# Allegro board HY_UART_DBUG_V10B.brd (continued)
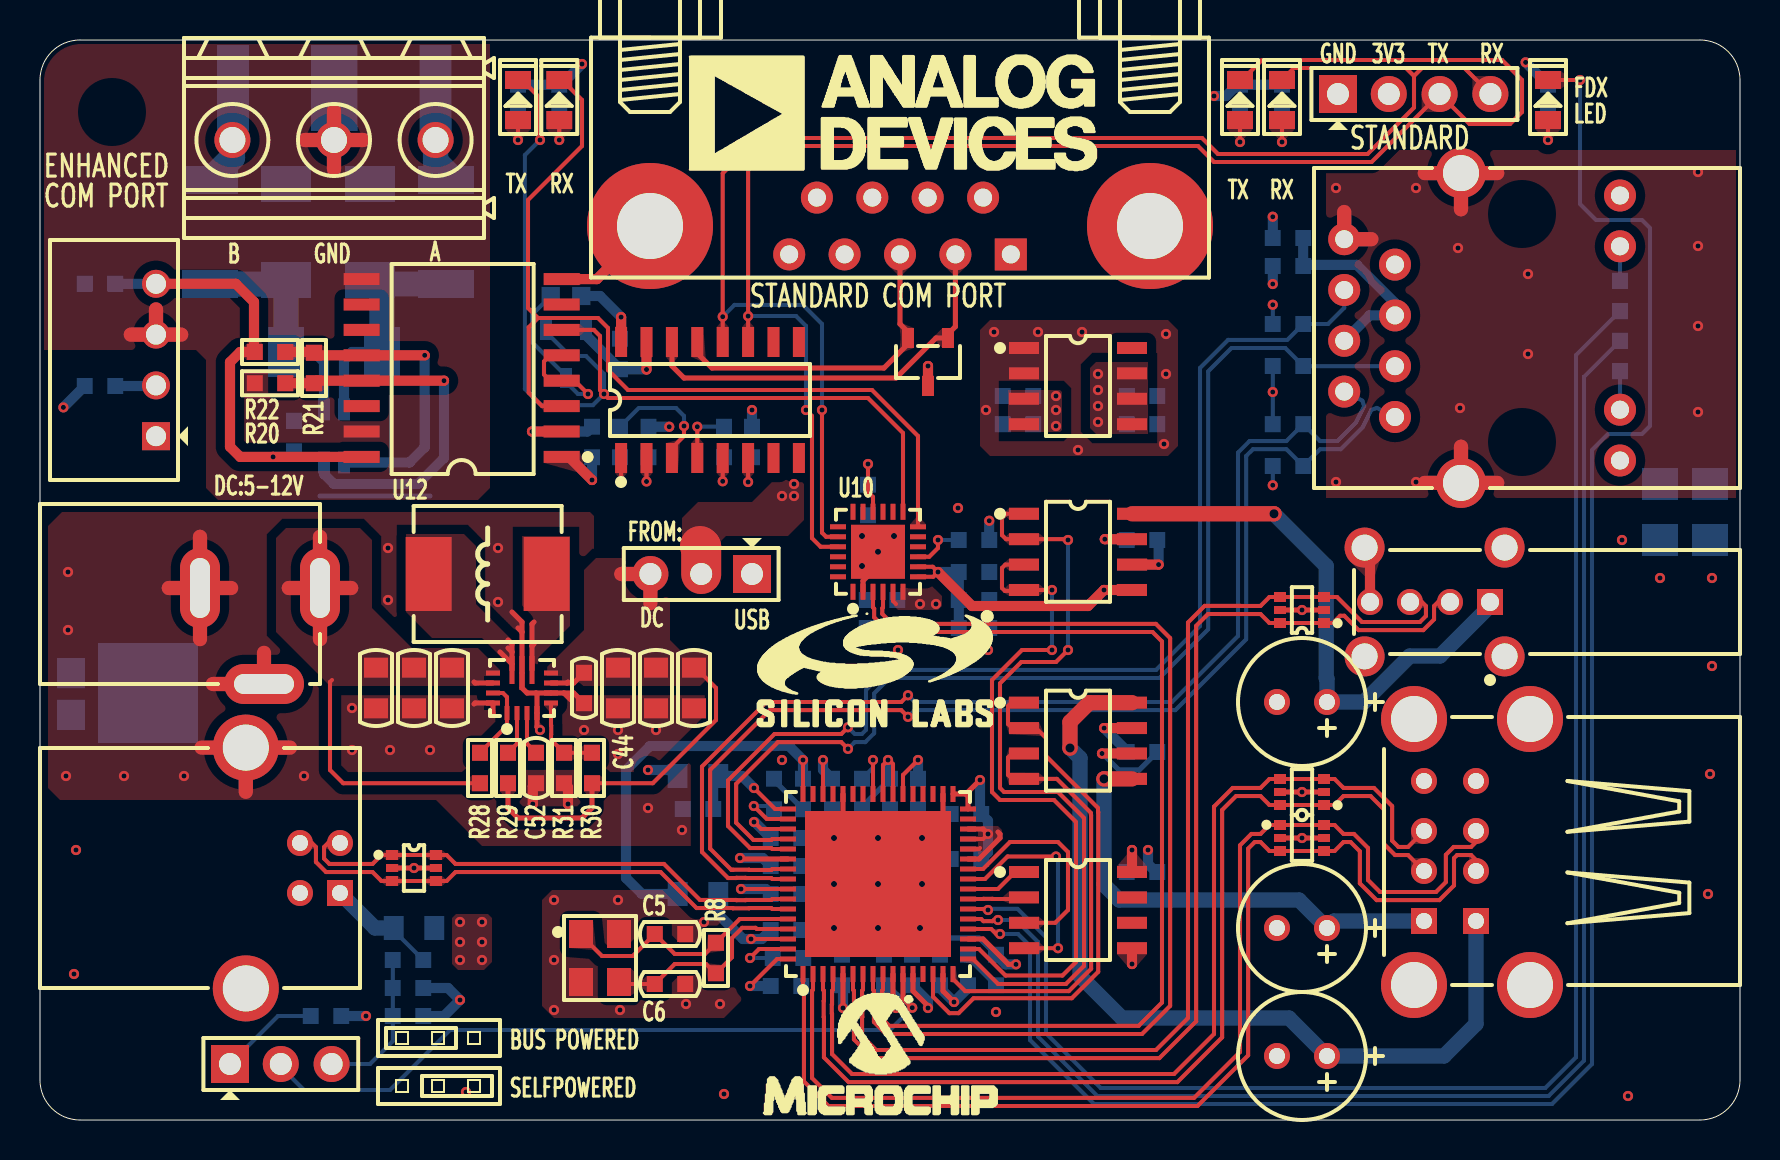
[diagram p0: board, top side]
## Routing (per net, layer and track width the routed paths; a pad name or vN(x,y) marks a point on that pad's centre or on a via; arc(x,y) is an arc through that point) (continued)
  BOTTOM w0.254: C12.1 36.7,16.99 R4.1 ; v1(53.1,18.33) 53.12,18.33 53.94,17.5 54.96,17.5 C1.2 ; C16.1 46.4,8.14 C8.1
  BOTTOM w0.508: Q24.2 27.3,39.24 C37.1 30.31,37.54 v1(30.32,37.52) ; v1(55.4,13.5) 55.4,12.8 55.8,12.4 C4.2 ; C3.2 55.93,28.93 v1(55.93,27.77) ; C39.1 v1(31.46,34.66) ; C2.2 20.2,5.2 v1(21,6) 20.4,6.6 R2.2 ; C27.1 v1(1.17,35.63) ; C40.1 v1(35.6,35.5) ; C29.2 27.36,34.42 v1(24.6,34.42) ; C7.2 v1(61.64,41.8)
  BOTTOM w0.711: 8,29.16 DC1.2 6.44,26.6 ; 12.5,18.62 USB1.6 10.29,16.41
  vias: v1(1.3,17.2) v1(1.4,27.4) v1(1.4,24.5) v1(1.7,7.3) v1(1.8,13.5) v1(4.2,17.2) v1(7.2,17.2) v1(13.2,17.2) v1(15.6,20.6) v1(15.6,18.5) v1(17.4,28.6) v1(17.4,26) v1(17.5,18.5) v1(19.5,18.5) v1(21.3,1.4) v1(22.9,28.6) v1(22.9,25.9) v1(25.7,11) v1(25.7,8) v1(25.7,5.5) v1(27.2,19.5) v1(28.9,19.5) v1(28.9,18.3) v1(28.9,11) v1(29,5.5) v1(30.4,15.6) v1(30.8,19.5) v1(32.1,14.5) v1(32.3,5.8) v1(33.2,9.9) v1(34,5.8) v1(34.2,1.3) v1(37.1,18) v1(42.9,23.5) v1(45.9,30.6) v1(47.3,35.5) v1(47.4,23.5) v1(47.7,39.4) v1(47.8,5.4) v1(49.9,39.4) v1(51.9,33.5) v1(52.1,39.4) v1(56.2,33.8) v1(56.3,39.3) v1(56.3,37.3) v1(79.1,29) v1(79.4,1.2) v1(81,27.1) v1(83.4,11.3) v1(83.5,17.3) v1(83.6,27.1) v1(83.6,22.7) v3(39.7,14.1) v3(39.7,11.8) v3(39.7,9.6) v3(41.1,29.2) v3(41.1,27.7) v3(41.9,14.1) v3(41.9,9.6) v3(42.7,29.2) v3(44,9.6) v3(44.1,14.1) v3(44.1,11.8)
GND_EARTH: length 27.1
  TOP w0.711: 66.57,44.04 J2.8 65.21,45.4 ; 69.24,47.34 J2.14 ; J2.14 71.05,45.54 ; J2.14 72.86,47.34 ; J2.13 71.05,33.66 ; J2.13 72.86,31.86 ; J2.13 69.24,31.86
  BOTTOM w0.711: 71.05,45.54 J2.14 ; J2.14 72.86,47.34 ; J2.14 69.24,47.34 ; J2.13 72.86,31.86 ; J2.13 69.24,31.86 ; J2.13 71.05,33.66 ; 65.21,45.4 J2.8 66.57,44.04
  vias: v1(64.8,46.6) v1(64.8,31.9) v1(68.8,46.6) v1(68.8,31.9) v1(70.9,43.6) v1(71,35.6) v1(74.4,42.3) v1(74.4,38.3) v1(82.9,47.4) v1(82.9,43.7) v1(82.9,39.7) v1(82.9,35.4)
GND_ISO: length 34.3
  TOP w0.711: J3.2 14.7,50.46 ; J3.2 16.16,49 ; J3.2 14.7,47.54 ; J3.2 13.24,49 ; 4.54,39.27 U11.3 ; U11.3 5.8,40.53 ; U11.3 7.06,39.27
  L02_GND w0.711: U11.3 5.8,40.53 ; U11.3 4.54,39.27 ; U11.3 7.06,39.27 ; 13.24,49 J3.2 ; J3.2 14.7,50.46 ; J3.2 16.16,49 ; J3.2 14.7,47.54
  BOTTOM w0.254: 14,31.2 19.5,31.2
  BOTTOM w0.711: U11.3 5.8,40.53 ; U11.3 7.06,39.27 ; U11.3 4.54,39.27 ; J3.2 14.7,50.46 ; J3.2 16.16,49 ; J3.2 13.24,49 ; J3.2 14.7,47.54
VBUS_DET: length 35.8
  TOP w0.254: v1(43.61,5.61) 43.15,6.08 U2.11
  BOTTOM w0.203: J1.2 12.04,2.66 13.2,1.5 17.5,1.5 20.5,4.5 42.5,4.5 v1(43.61,5.61)
VCC_3.3V: length 69.5
  TOP w0.203: U2.46 v1(39.15,18) ; U2.40 42.15,17.75 v1(42.4,18) 42.45,18 42.65,17.8 U2.39 ; U2.28 46.95,13.55 47,13.6 ; v1(47.4,14.3) 47.15,14.05 U2.29 ; 42.8,25.8 42.65,25.95 U10.5
  TOP w0.254: U2.19 47.15,9.05 48.42,7.78 v1(48.8,7.78) ; 47.9,14.4 48,14.3 48,14.1 46.95,13.05 U2.27 ; 46.3,16.3 U2.33 ; 46.3,16.3 v1(47,17) ; 46.3,16.3 46.4,16.2 U2.32 ; U2.30 47.15,14.55 v1(47.4,14.3)
  TOP w0.508: v1(27.6,32) 26.45,33.16 U12.1 ; U6.8 v1(54.6,13.5) ; U13.16 v1(29.05,40.15)
  L03_VCC w0.508: J2.12 79,49.5 ; J2.9 79,29.9
  L03_VCC w0.711: 67.44,49.84 J5.2 67.44,52.76
  BOTTOM w0.203: R12.2 v1(61.64,40.76) ; R9.2 v1(61.64,31.74) ; R10.2 v1(61.64,36.4) R11.2
  BOTTOM w0.254: 47.4,13.4 47.2,13.2 47.2,13.19 ; C16.2 46.96,9.1 44.44,9.1 R7.2 ; R6.1 41.1,15.66 C13.2
  BOTTOM w0.508: v1(27.1,52.8) 26.06,51.76 R25.2 R24.2 ; L3.1 31.88,17.32 31.7,17.5 v1(30.4,17.5) ; v1(47,17) 47,15.36 C17.2 47.4,14.96 v1(47.4,14.3) 47.4,13.39 C14.2 ; v1(54.6,13.5) 54.6,12.66 C4.1 ; v1(27.6,32) C29.1 ; R27.2 R26.2 59.86,51.76 59.3,51.2 v1(58.7,51.2) ; C37.2 29.05,39.12 v1(29.05,40.15) 28,41.2 R207.1 ; v1(48.8,7.78) 48.28,7.78 C16.2 ; C13.2 42.4,17.16 v1(42.4,18) ; R17.2 v1(74.28,52.88) ; R14.1 v1(61.64,45.16) ; R1.2 v1(16.3,5.2) ; v1(39.15,18) 39.15,17.51 C15.2 ; R18.1 v1(47.46,29.96)
  vias: v1(44,25.8) v1(44.8,25.8) v1(52.9,37.3) v1(52.9,36.5) v1(52.9,35.7) v1(52.9,34.9)
VCC_5V: length 7
  TOP w0.508: U3.7 v1(53.24,29.04) ; U1.7 v1(53.2,19.6)
  TOP w2: J6.2 33.06,28.64 33,28.7
  BOTTOM w0.508: v1(53.24,29.04) 54.3,29.04 C3.1 ; v1(53.2,19.6) 54.34,18.46 C1.1
  vias: v1(37.1,31.2) v1(37.7,31.8) v1(37.7,31.2) v1(50.8,36.2) v1(50.8,35.5) v1(50.8,34.7)
VCC_5V_DC: length 22.6
  TOP w0.203: C47.2 32.78,22.62 33.8,21.6 33.8,20 30.64,16.84 R30.2
  TOP w0.254: 26.35,21.85 26.69,21.85 C44.2 ; 26.35,21.85 26.4,21.9 ; 26.35,21.85 U15.7 ; R29.2 23.4,15.6 23.9,15.1 27.1,15.1 27.6,15.6 R30.2
  TOP w0.711: 30.52,25.84 J6.3 29.06,27.3
VCC_5V_ISO: length 23.5
  TOP w0.508: U11.4 9.79,41.81 10.7,40.9 10.7,38.44 R22.2 10.01,38.4 9.5,37.89 9.5,33.66 10.01,33.16 v1(11.65,33.16) U12.16
  BOTTOM w0.508: C28.2 U11.4 ; C30.1 12.42,33.16 v1(11.65,33.16)
VCC_IN: length 29.8
  TOP w0.203: R28.2 15.16,16.84 14.5,17.5 14.5,21.9 14.6,22
  TOP w0.254: U15.13 21.75,21.85 21.7,21.9
  TOP w0.711: DC1.1 14,29.16 ; DC1.1 15.56,26.6 ; DC1.1 12.44,26.6 ; DC1.1 14,24.04
  BOTTOM w0.711: DC1.1 15.56,26.6 ; DC1.1 12.44,26.6 ; DC1.1 14,29.16 ; DC1.1 14,24.04
VCC_PWR2: length 43.7
  TOP w0.762: U1.8 52.47,20.87 51.5,19.9 v2(51.5,18.6)
  BOTTOM w0.762: USB2.1 71.8,4.8 70.2,3.2 C54.1 62.45,5.1 54.1,5.1 52,7.2 52,18.1 v2(51.5,18.6)
VCC_PWR3: length 23.7
  TOP w0.762: U1.5 v2(53.2,17.06)
  BOTTOM w0.762: v2(53.2,17.06) 53.2,11.76 53.96,11 62.95,11 C55.1 64.7,9.95 USB2.5
VCC_PWR4: length 27.9
  TOP w0.762: U3.8 v2(61.7,30.31)
  BOTTOM w0.762: USB3.1 72.5,25.7 70,23.2 68.49,23.2 66.19,20.9 C56.1 64.35,22.06 64.31,22.1 64.31,27.7 v2(61.7,30.31)
VCC_PWR5: length 21.8
  TOP w0.203: U10.7 44.66,27.16 v1(44.9,27.4) 44.64,27.66 U10.8
  TOP w0.508: U3.5 v1(53.2,26.5) 52.4,25.7 46.6,25.7 v1(44.9,27.4)
  L03_VCC w1.27: 5.13,36.73 4.03,36.73 4,36.7 ; 5.13,36.73 U11.2 ; 5.13,36.73 4.3,35.9
  BOTTOM w0.508: C31.2 C32.2 C33.2 45.94,27.4 v1(44.9,27.4) ; U11.2 5.77,36.7 C27.2
VCC_USB: length 1.8
  L03_VCC w2: J6.1 35.6,25.5
  vias: v1(21,9.9) v1(21,8.9) v1(21,8) v1(22.1,9.9) v1(22.1,8.9) v1(22.1,8)
VDD18CORE: length 6.8
  TOP w0.203: U2.38 43.15,17.25 v1(43.9,18)
  TOP w0.254: U2.15 45.15,6.45 v1(45.7,5.9)
  BOTTOM w0.508: C8.2 46.4,6.6 v1(45.7,5.9) 45,6.6 C9.2 ; v1(43.9,18) C11.2
VDD18ETHPLL: length 20.6
  TOP w0.203: U2.48 v1(38.15,18)
  BOTTOM w0.508: L2.2 30.1,11.3 29.3,12.1 29.3,17.5 30.5,18.7 36.79,18.7 36.81,18.71 37.39,18.71 37.41,18.7 37.45,18.7 v1(38.15,18) C12.2
VDD18USBPLL: length 6.2
  TOP w0.203: U2.62 v1(35.55,9.05)
  BOTTOM w0.508: C53.2 36.09,9.05 v1(35.55,9.05) 35.15,9.05 33.92,10.28 L2.1
VDD33A: length 26.5
  TOP w0.203: v1(35.7,16.6) 36.75,15.55 U2.49 ; U2.64 36.85,8.05 v1(35.5,6.7) ; U2.51 36.05,14.55 v1(35.7,14.9) ; U2.57 v1(35.05,11.55)
  TOP w0.254: U2.5 v1(40.15,5.6) ; U2.10 42.65,5.75 v1(42.8,5.6) ; U2.54 35.05,13.05 v1(35,13.1)
  BOTTOM w0.508: C21.2 36.14,13.1 v1(35,13.1) ; C22.2 35.74,14.9 v1(35.7,14.9) ; v1(42.8,5.6) 42.8,6.14 C18.2 ; C24.2 36.29,11.55 v1(35.05,11.55) ; v1(35.5,6.7) C20.2 ; v1(35.7,16.6) 35.1,17.2 L3.2 33.66,16.95 C23.2 ; C19.2 40.15,6.69 v1(40.15,5.6)
A: length 4.8
  BOTTOM w1.27: R23.2 20.3,47.4 19.78,47.92 J3.3 GDT2.2
AUTOMDIX_EN: length 2.9
  TOP w0.203: U2.41 v1(41.65,18)
  BOTTOM w0.203: v1(41.65,18) 41.65,17.61 R6.2
B: length 5.1
  BOTTOM w1.27: GDT1.1 9.62,51.57 J3.1 9.62,48.12 R19.2
EECLK: length 2.8
  TOP w0.203: U2.23 47.16,11.05 47.17,11.06 47.63,11.06 47.64,11.05 49.12,11.05 U6.2
EECS: length 3.2
  TOP w0.203: U2.24 47.9,11.55 48.75,12.4 U6.1
EEDI: length 11.1
  TOP w0.203: U2.26 47.15,12.55 48.5,13.9 50.9,13.9 51.4,13.4 51.4,10.5 50.76,9.86 U6.3
EEDO: length 11.2
  TOP w0.203: U2.25 47.25,12.05 48.38,13.18 v1(50.8,13.18) ; U6.4 v1(50.9,8.59)
  BOTTOM w0.203: v1(50.9,8.59) 50.9,13.08 v1(50.8,13.18)
NFDX_LED_GPIO0: length 94.2
  TOP w0.203: U2.20 47.56,9.55 47.81,9.3 v1(48,9.3) ; D1.2 v1(77,52)
  BOTTOM w0.203: v1(77,52) 77,45.8 77.8,45 80.1,45 80.5,44.6 80.5,34.7 80.1,34.3 78.4,34.3 77.6,33.5 77.6,2.8 75.6,0.8 52.7,0.8 49.5,4 49.5,8.7 48.9,9.3 v1(48,9.3)
NLNKA_LED_GPIO1: length 74.8
  TOP w0.203: U2.21 47.06,10.05 47.17,9.94 47.63,9.94 47.69,10 v1(47.9,10)
  BOTTOM w0.203: R13.1 77.2,37.16 77.2,2.97 75.43,1.2 52.87,1.2 49.9,4.17 49.9,8.9 48.8,10 v1(47.9,10)
NRESET: length 3.5
  TOP w0.254: v1(44.4,5.6) 44.4,5.7 43.65,6.45 U2.12
  BOTTOM w0.508: v1(44.4,5.6) 44.4,5.94 R7.1
NSPD_LED_GPIO2: length 75.8
  TOP w0.203: v1(47.4,10.5) 47.35,10.55 U2.22
  BOTTOM w0.203: R15.1 76.8,38.24 76.8,3.13 75.27,1.6 53.03,1.6 50.3,4.33 50.3,9.13 48.88,10.56 47.46,10.56 v1(47.4,10.5)
PRTCTL2: length 27.3
  TOP w0.203: U1.1 48.57,20.87 48.4,20.7 48.4,19.8 48.6,19.6 U1.2 49.8,19.6 50.3,19.1 50.3,18.2 52.9,15.6 52.9,15.4 52.91,15.39 52.91,7.41 51.59,6.09 46.68,6.09 45.93,5.34 45.47,5.34 44.65,6.16 U2.14
PRTCTL3: length 22.4
  TOP w0.203: U2.16 45.65,7.05 46.26,6.44 51.44,6.44 52.56,7.56 52.56,15.25 52.55,15.26 52.55,15.35 50.84,17.06 U1.4 48.6,17.06 48.4,17.26 48.4,18.12 48.6,18.33 U1.3
PRTCTL4: length 39.2
  TOP w0.203: v1(51.4,29) 51.36,29.04 U3.2 48.3,29.04 48.1,29.24 48.1,30.1 48.31,30.31 U3.1 ; v1(51.4,23.5) 50.8,22.9 49.07,22.9 48,21.83 48,16.6 48.2,16.4 50.9,16.4 52.2,15.1 52.2,7.71 51.29,6.8 47.9,6.8 46.65,8.05 U2.17
  BOTTOM w0.203: v1(51.4,23.5) v1(51.4,29)
PRTCTL5: length 35
  TOP w0.203: v1(50.6,23.5) 49.1,23.5 47.6,22 47.6,16.4 48,16 50.7,16 51.8,14.9 51.8,7.9 51.12,7.22 48.28,7.22 46.95,8.55 U2.18 ; U3.3 48.27,27.77 48.1,27.6 48.1,26.6 48.24,26.46 49.16,26.46 U3.4 v1(50.6,26.5)
  BOTTOM w0.203: v1(50.6,26.5) v1(50.6,23.5)
RS485_A: length 16
  TOP w0.508: v1(19.23,38.23) U12.12 13.83,38.23 R21.2 13.66,38.4 R22.1
  BOTTOM w0.508: L4.3 18.48,32.88 19.23,33.63 v1(19.23,38.23)
RS485_B: length 19.2
  TOP w0.508: v1(20.2,36.97) U12.13 13.83,36.97 R21.1 R20.2
  BOTTOM w0.508: L4.4 14.2,32.3 14.7,31.8 18.9,31.8 20.2,33.1 v1(20.2,36.97)
RXD_ECI: length 46.8
  TOP w0.203: D6.2 26.1,52 27.1,51 27.1,48.7 24.4,46 24.4,40.6 24.9,40.1 ; 24.9,40.1 27.9,40.1 28.4,39.6 28.4,37.5 29.4,36.5 41.6,36.5 43.9,34.2 U10.12 ; 24.9,40.1 24.44,39.64 24.44,36.36 25.11,35.7 U12.3
RXD_SCI: length 75.1
  TOP w0.203: U10.20 39.3,29.16 39.1,29.36 v1(39.1,35.5) ; J5.4 71.22,52.6 69.1,52.6 68.7,52.2 ; U13.12 v1(34.13,40.16) 34.13,47.34 35.9,49.1 58.1,49.1 58.9,48.3 66.38,48.3 68.7,50.62 68.7,52.2 ; 68.7,52.2 68.3,52.6 62.7,52.6 D8.2
  BOTTOM w0.203: v1(39.1,35.5) 39.1,39.8 38.15,40.75 34.72,40.75 v1(34.13,40.16)
RXN: length 56.2
  TOP w0.203: U2.53 36.62,13.55 36.57,13.6 35.5,13.6 34.4,14.7 34.4,16.97 36.73,19.3 40.06,19.3 v1(40.4,19.64)
  BOTTOM w0.203: J2.6 65.21,40.61 64.4,39.8 R12.1 62.37,39.01 59.41,39.01 58,37.6 58,24.7 55.81,22.51 42.31,22.51 41.3,21.5 41.3,19.5 41.1,19.3 40.74,19.3 v1(40.4,19.64)
RXP: length 56.3
  TOP w0.203: v1(40.4,18.56) 40.06,18.89 36.89,18.89 34.81,16.81 34.81,14.87 35.67,14 36.57,14 36.62,14.05 U2.52
  BOTTOM w0.203: v1(40.4,18.56) 40.74,18.89 41.27,18.89 41.71,19.33 41.71,21.33 42.47,22.1 55.97,22.1 58.41,24.53 58.41,37.43 59.57,38.6 62.26,38.6 R11.1 63.17,37.69 J2.3
TXD_ECI: length 50.4
  TOP w0.203: D5.2 24.1,52 25,51.1 v1(25,49) ; U10.13 43.15,34.35 41.4,36.1 28.4,36.1 v1(28.2,36.3) 28,36.5 28,39.2 27.69,39.51 U12.6
  BOTTOM w0.203: Q24.1 25.3,39.4 26.5,38.2 27.3,38.2 28.2,37.3 v1(28.2,36.3) 27.64,35.74 25.06,35.74 24.24,36.56 24.24,48.24 v1(25,49)
TXD_SCI: length 82.5
  TOP w0.203: D7.2 60.1,52 61.1,53 73.1,53 74.1,52 74.1,50.4 73.5,49.8 71.48,49.8 J5.3 66.58,47.9 58.7,47.9 57.9,48.7 36.2,48.7 35.41,47.91 v1(35.41,40.2) U13.11 ; v1(38.3,35.5) 38.6,35.2 38.6,29.09 39.03,28.66 U10.21
  BOTTOM w0.203: v1(38.3,35.5) 38.3,39.7 37.8,40.2 35.41,40.2 v1(35.41,40.2)
TXN: length 57.5
  TOP w0.203: U2.56 36.62,12.05 36.57,12.1 35.29,12.1 35.28,12.11 34.82,12.11 34.81,12.1 34.4,12.1 33.1,13.4 33.1,17.67 36.33,20.9 43.06,20.9 v1(43.4,21.24)
  BOTTOM w0.203: J2.2 66.12,35.97 66.21,35.69 65.8,34.87 64.87,33.95 64,33.95 R10.1 62.32,33.95 60.48,33.95 59.9,33.37 59.9,24.2 56.6,20.9 43.74,20.9 v1(43.4,21.24)
TXP: length 56.7
  TOP w0.203: U2.55 36.62,12.55 36.57,12.5 35.46,12.5 35.45,12.52 34.65,12.52 34.64,12.5 34.57,12.5 33.51,13.57 33.51,17.51 36.49,20.49 43.06,20.49 v1(43.4,20.16)
  BOTTOM w0.203: v1(43.4,20.16) 43.74,20.49 56.77,20.49 60.31,24.03 60.31,33.2 60.65,33.54 62.32,33.54 R9.1 64,33.54 65.04,33.54 66.13,34.63 66.57,35.51 66.84,35.6 J2.1
USBDM0: length 25.9
  TOP w0.203: U2.58 36.62,11.05 36.57,11 35.29,11 35.28,10.99 34.82,10.99 34.81,11 33,11 31.2,12.8 20.78,12.8 20.33,13.25 U4.6 U4.1 17.07,13.25 16.62,12.8 14.47,12.8 14.2,13.07 14.2,13.65 14.41,13.85 USB1.2
USBDM2: length 55.9
  TOP w0.203: USB2.2 71.8,13 71.55,13.25 70.85,13.25 70.7,13.09 70.7,11.73 69.97,10.99 66.83,10.99 65.99,11.83 65.99,13.43 65.53,13.9 65.18,13.9 64.73,13.45 U5.4 U5.3 61.47,13.45 61.02,13.9 60.74,13.9 60.41,13.57 60.41,3.23 57.87,0.7 39.43,0.7 38.2,1.93 38.2,6.47 38.15,6.51 U2.1
USBDM3: length 50.2
  TOP w0.203: U2.3 39.15,6.51 39.2,6.47 39.2,5.96 39.18,5.95 39.18,5.15 39.2,5.14 39.2,3.13 40.43,1.89 56.87,1.89 59.11,4.13 59.11,15.5 59.8,16.2 61.02,16.2 61.47,15.75 U7.6 U7.1 64.73,15.75 65.18,16.2 66.53,16.2 67.2,15.53 67.2,13.8 67.75,13.25 68.4,13.25 USB2.6
USBDM4: length 55.9
  TOP w0.203: USB3.2 69.91,25.9 69.7,25.7 69.7,25.03 69.17,24.49 65.93,24.49 65.21,25.21 65.01,25.21 64.65,24.85 U8.1 U8.6 61.47,24.85 61.02,25.3 59.02,25.3 59.03,25.3 58.4,25.3 57.81,24.71 57.81,4.93 55.97,3.09 41.63,3.09 40.7,4.03 40.7,5.31 40.71,5.32 40.71,5.78 40.7,5.79 40.7,6.47 40.65,6.51 U2.6
USBDM5: length 52.5
  TOP w0.203: U2.8 41.65,6.51 41.7,6.47 41.7,4.9 42.3,4.3 55.1,4.3 56.51,5.71 56.51,24.09 55.79,24.81 42.61,24.81 42.11,25.3 42.11,25.59 42.15,25.63 U10.4
USBDP0: length 26.6
  TOP w0.203: USB1.3 13.59,13.85 13.8,13.65 13.8,12.9 14.3,12.4 16.62,12.4 17.07,11.95 U4.3 U4.4 20.33,11.95 20.78,12.4 31.03,12.4 32.83,10.6 34.64,10.6 34.65,10.58 35.45,10.58 35.46,10.6 36.57,10.6 36.62,10.55 U2.59
USBDP2: length 55.2
  TOP w0.203: USB2.3 71.8,13.9 71.55,13.65 70.69,13.65 70.29,13.26 70.29,11.89 69.8,11.4 67,11.4 66.4,12 66.4,13.6 65.7,14.3 65.18,14.3 64.73,14.75 U5.6 U5.1 61.47,14.75 61.02,14.3 60.57,14.3 60,13.73 60,3.4 57.71,1.11 39.59,1.11 38.6,2.1 38.6,6.47 38.65,6.51 U2.2
USBDP3: length 49.6
  TOP w0.203: U2.4 39.65,6.51 39.6,6.47 39.6,5.79 39.59,5.78 39.59,5.32 39.6,5.31 39.6,3.3 40.6,2.3 56.7,2.3 58.7,4.3 58.7,15.67 59.63,16.6 61.02,16.6 61.47,17.05 U7.4 U7.3 64.73,17.05 65.18,16.6 66.7,16.6 67.61,15.69 67.61,13.97 67.92,13.65 68.4,13.65 USB2.7
USBDP4: length 54.6
  TOP w0.203: USB3.3 69.09,25.9 69.3,25.7 69.3,25.2 69,24.9 66.1,24.9 64.85,26.15 U8.3 U8.4 61.47,26.15 61.02,25.7 60,25.7 60.01,25.71 58.23,25.71 57.4,24.87 57.4,5.1 55.8,3.5 41.8,3.5 41.1,4.2 41.1,5.14 41.12,5.15 41.12,5.95 41.1,5.96 41.1,6.47 41.15,6.51 U2.7
USBDP5: length 51.1
  TOP w0.203: U2.9 42.15,6.51 42.1,6.47 42.1,5.07 42.47,4.71 54.93,4.71 56.1,5.87 56.1,23.93 55.63,24.4 42.44,24.4 41.71,25.13 41.71,25.57 41.65,25.63 U10.3
XI: length 10.6
  TOP w0.203: U2.61 35.84,9.55 35.78,9.61 35.11,9.61 34.6,9.1 34.6,8.14 R8.1 33.76,7.34 33.3,7.8 31.74,7.8 C6.2 29.05,6.8 U9.3
XO: length 12.4
  TOP w0.203: U9.1 27.05,9.25 28.1,8.2 29.64,8.2 C5.2 31.74,8.3 33.25,8.3 33.8,8.85 R8.2 34.99,10.05 U2.60
N17444119: length 2.2
  TOP w0.203: D5.1 v1(23.9,49)
  BOTTOM w0.203: v1(23.9,49) R24.1
N17444150: length 3.5
  TOP w0.203: U10.16 41.65,31.15 41.4,31.4 v1(41.4,32.8)
  BOTTOM w0.203: v1(41.4,32.8) C26.1
N17444155: length 11
  TOP w0.203: v1(27.4,36.3) 26.73,36.97 U12.4 25.51,36.97 25.2,37.27 25.2,37.93 25.51,38.23 U12.5
  BOTTOM w0.203: R207.2 24.6,40.26 24.6,38.9 26.3,37.2 Q24.3 26.3,36.9 26.9,36.3 v1(27.4,36.3)
N17444179: length 2.2
  TOP w0.203: v1(25.96,49) D6.1
  BOTTOM w0.203: R25.1 v1(25.96,49)
N17444185: length 2.4
  TOP w0.203: D7.1 v1(60,48.9)
  BOTTOM w0.203: v1(60,48.9) R26.1
N17444187: length 2.4
  TOP w0.203: v1(62.1,48.9) D8.1
  BOTTOM w0.203: R27.1 v1(62.1,48.9)
N17444194: length 11.8
  BOTTOM w0.508: 15.2,35.52 15.2,38 15.6,38.4 D3.2
  BOTTOM w1.27: R23.1 17.1,41.8 ; 17.1,41.8 D3.2 ; 17.1,41.8 16.9,42 D4.2
N17444207: length 12.2
  BOTTOM w0.508: 14.2,35.52 14.2,37.9 13.7,38.4 D3.1
  BOTTOM w1.27: 12.5,41.8 12.3,41.6 D3.1 ; 12.5,41.8 R19.1 ; 12.5,41.8 D2.2
N17444219: length 6.1
  TOP w0.203: U13.3 31.6,33.1 31.6,33.6 32.2,34.2 v1(32.2,34.7)
  BOTTOM w0.203: v1(32.2,34.7) 32.2,35.2 31.8,35.6 29.94,35.6 C36.2
N17444221: length 2.4
  TOP w0.203: U13.1 v1(29.05,31.95)
  BOTTOM w0.203: C36.1 29.05,33.08 v1(29.05,31.95)
N17444225: length 2.5
  TOP w0.203: U13.6 v1(35.41,31.9)
  BOTTOM w0.203: C40.2 35.41,32.94 v1(35.41,31.9)
N17444229: length 2.4
  TOP w0.203: U13.5 v1(34.13,31.93)
  BOTTOM w0.203: C38.2 34.13,33.07 v1(34.13,31.93)
N17444231: length 2.9
  TOP w0.203: U13.4 v1(32.87,34.66)
  BOTTOM w0.203: v1(32.87,34.66) 34.2,34.66 C38.1
N17444237: length 16.5
  TOP w0.254: J4.3 43,39.8 43.4,39.4 U14.2 43.4,38.8 42.2,37.6 33.6,37.6 32.87,38.34 U13.13
N17444239: length 20.4
  TOP w0.254: J4.2 45.77,39.67 45.4,39.3 U14.1 44.8,39.1 42.8,37.1 32.2,37.1 31.6,37.7 31.6,38.9 U13.14
N17449852: length 3.2
  TOP w0.203: v1(35.5,8.1) 35.95,8.55 U2.63
  BOTTOM w0.203: v1(35.5,8.1) R3.1
N17450053: length 3.1
  TOP w0.203: v1(35.69,15.7) 36.34,15.05 U2.50
  BOTTOM w0.203: R4.2 36.54,15.7 v1(35.69,15.7)
N17453472: length 5.6
  BOTTOM w0.203: R5.1 17.68,9.48 L1.2
  BOTTOM w0.762: L1.2 16.75,9.6 USB1.1
N17453542: length 7.6
  BOTTOM w0.203: R5.2 R2.1 C2.1 17.64,3.94 16.5,2.8 J1.3
N17454488: length 5
  BOTTOM w0.203: R1.1 11.9,5.2 J1.1
N17458084: length 10.5
  BOTTOM w0.508: J2.4 66.48,40.23 J2.5 67.75,40.85 65.84,42.76 63.22,42.76 C7.1 R14.2
N17459440: length 1.7
  BOTTOM w0.203: J2.11 R15.2
N17459522: length 1.9
  BOTTOM w0.203: J2.10 R13.2
N17460830: length 2.2
  TOP w0.203: v1(75.4,49) D1.1
  BOTTOM w0.203: R17.1 v1(75.4,49)
N17461894: length 2.6
  TOP w0.203: U10.9 44.46,28.16 44.9,28.6 v1(44.9,29)
  BOTTOM w0.203: v1(44.9,29) R18.2
N17469844: length 4.1
  TOP w0.203: R28.1 23.35,19.71 U15.1 23.35,21.15 23.15,21.35 U15.14
N17470263: length 2.2
  TOP w0.203: U15.3 24.35,18.81 C52.2
N17470516: length 2.6
  TOP w0.254: 24.6,23.7 24.6,24.8 24.7,24.9 ; 24.6,23.7 24.7,23.8 ; 24.6,23.7 U15.9
N17470525: length 2.7
  TOP w0.254: 23.6,22.8 23.6,23.4 ; 23.6,22.8 U15.11 ; 23.6,22.8 23,23.4 ; 23.6,23.4 23.6,23.8 23.4,24 ; 23.6,23.4 23.4,23.6
N17471038: length 2.2
  TOP w0.203: U15.2 23.85,18.81 R29.1
N17471980: length 4.2
  TOP w0.203: U15.5 25.55,19.74 25.56,19.73 25.56,19.27 25.55,19.26 25.55,19.01 R31.2 R30.1
N174443348: length 2.4
  TOP w0.203: U13.2 v1(30.32,31.93)
  BOTTOM w0.203: C39.2 30.32,33.04 v1(30.32,31.93)

## Copper pours and planes (outline as drawn; the poured copper is in the pictures)
GND on TOP: 33.2,11.5 35.3,9.4 35.3,6.2 34.2,5.1 25.7,5.1 25.1,5.7 25.1,11 25.6,11.5 ; 1 cut-out
GND on TOP: 47.5,40 56.4,40 56.9,39.5 56.9,33.7 56.4,33.2 47.5,33.2 47,33.7 47,39.5
GND on TOP: 27.5,30.4 27.7,30.2 27.7,23.1 28.9,21.9 33.3,21.9 33.8,21.4 33.8,14.1 33.4,13.7 22.1,13.7 19.8,16 1,16 0.4,16.6 0.4,29.7 1.1,30.4 ; 1 cut-out
GND on BOTTOM: 78.4,30.2 84.8,30.2 84.8,9.8 84.5,9.5 78.6,9.5 78.1,10 78.1,29.9
GND on BOTTOM: 40.5,23.2 47.9,23.2 48.9,24.2 48.9,30.6 48.3,31.2 40.4,31.2 40,30.8 40,23.7
GND on BOTTOM: 1,30.4 30.9,30.4 31.6,29.7 31.6,18.5 48,18.5 48.9,17.6 48.9,5.6 48.4,5.1 25.7,5.1 25.1,5.7 25.1,12.3 21.9,15.5 1.1,15.5 0.3,16.3 0.3,29.7 ; 2 cut-outs
GND on BOTTOM: 47.7,33.2 56.4,33.2 56.9,33.7 56.9,39.7 56.6,40 47.6,40 47,39.4 47,33.9
GND on L02_GND: 23.6,53.8 83,53.8 84.21,53.21 84.8,52 84.8,49.1 63.5,49.1 63.5,30.2 84.8,30.2 84.8,2 84.25,0.75 83,0.2 2,0.2 0.75,0.75 0.2,2 0.2,37.4 6.7,37.4 7,37.1 7,30.7 7.3,30.4 23,30.4 23.6,31
GND_EARTH on TOP: 64.3,48.5 64.3,31.1 84.8,31.1 84.8,48.5
GND_EARTH on BOTTOM: 64.3,48.5 64.3,31.1 84.8,31.1 84.8,48.5 ; 3 cut-outs
GND_ISO on TOP, BOTTOM, L02_GND: 7.8,38.5 8.3,38 8.3,31.6 8.9,31 21.9,31 22.5,31.6 22.5,53.8 2,53.8 0.75,53.25 0.2,52 0.2,38.5
VCC_3.3V on TOP: 46,14.7 47.9,14.7 48.1,14.5 48.1,14 47,12.9 46,12.9 46,13.2 46.9,13.2 46.9,13.4 46,13.4 46,13.7 46.9,13.7 46.9,13.9 46,13.9 46,14.2 46.9,14.2 46.9,14.4 46,14.4
VCC_3.3V on TOP: 52.8,37.9 55.4,37.9 55.4,34.3 52.8,34.3 52.5,34.6 52.5,37.6
VCC_3.3V on TOP: 43,26.8 44.8,26.8 45.1,26.5 45.1,25.7 44.9,25.5 42.9,25.5 42.6,25.8 42.6,26.8 42.8,26.8 42.8,26 43,26
VCC_3.3V on BOTTOM: 54.8,34.3 54.8,37.6 54.6,37.8 52.4,37.8 52.2,37.6 52.2,34.6 52.5,34.3
VCC_3.3V on BOTTOM: 42.5,24.2 45,24.2 45.2,24.4 45.2,26.4 45,26.6 42.7,26.6 42.5,26.4
VCC_3.3V on L03_VCC: 23.6,53.8 83,53.8 84.21,53.21 84.8,52 84.8,49.1 63.5,49.1 63.5,30.2 84.8,30.2 84.8,2 84.25,0.75 83,0.2 2,0.2 0.75,0.75 0.2,2 0.2,37.4 6.7,37.4 7,37.1 7,30.7 7.3,30.4 23,30.4 23.6,31 ; 3 cut-outs
VCC_5V on TOP: 37.9,32.1 36.8,32.1 35.6,30.9 32.9,30.9 32.1,30.1 32.1,27.2 33.9,27.2 34,27.3 34,28.9 34.3,29.2 37.4,29.2 38.2,30 38.2,31.8
VCC_5V on TOP: 48.4,36.5 51,36.5 51.1,36.4 51.1,34.5 51,34.4 48.4,34.4
VCC_5V on BOTTOM: 49.2,36.7 51.2,36.7 51.4,36.5 51.4,34.6 51.1,34.3 49.2,34.3
VCC_5V on L03_VCC: 53.1,19 57.6,19 59,20.4 59,30 52.3,36.7 41.8,36.7 41.8,36.5 36.6,31.3 36.6,31.1 36.8,30.9 38.7,30.9 41.8,34 49.7,34 52.2,31.5 52.2,29.2 52.6,28.8 56.2,28.8 56.6,28.4 56.6,21.5 55.8,20.7 53.1,20.7 52.8,20.4 52.8,19.3
VCC_5V_DC on TOP: 31.5,24 32,23.5 33.1,23.5 33.4,23.2 33.4,22.1 33,21.7 25.2,21.7 25.2,22 26.1,22 26.1,22.2 25.2,22.2 25.2,22.5 27.2,24.5 27.2,27.5 27.8,28.1 31,28.1 31.5,27.6
VCC_IN on TOP: 16.6,29 16.6,25.6 18.6,23.6 21.9,23.6 23,22.5 23,22.2 22.2,22.2 22.2,22 23,22 23,21.7 14.5,21.7 11.8,24.4 11.8,29.1 12.3,29.6 16,29.6
VCC_IN on BOTTOM: 2.9,24 7.8,24 11.8,28 11.8,29.1 12.3,29.6 16,29.6 16.2,29.4 16.2,23.9 15.4,23.1 9.9,23.1 7.9,21.1 7.9,18.8 2.9,18.8
VCC_PWR5 on L03_VCC: 5.4,37.4 2.9,37.4 2.6,37.1 2.6,29.3 3.5,28.4 37,28.4 39.9,25.5 42.8,25.5 43.9,26.6 45.3,26.6 47.3,24.6 53.1,24.6 53.6,25.1 53.6,26.8 53.4,27 47.2,27 46.1,28.1 42.6,28.1 41.5,27 40.4,27 37,30.4 5.6,30.4 4.6,31.4 4.6,35.3 5.4,36.1
VCC_USB on TOP: 20.8,10.3 22.4,10.3 22.6,10.1 22.6,7.9 22.2,7.5 20.9,7.5 20.6,7.8 20.6,10.1
VCC_USB on BOTTOM: 19.3,10.3 22.5,10.3 22.7,10.1 22.7,7.7 22.5,7.5 20.2,7.5 19.9,7.8 19.9,8.7 19.6,9 19.3,9
VCC_USB on L03_VCC: 22.3,7.4 20.7,7.4 20.5,7.6 20.5,24 22.4,25.9 36.6,25.9 36.6,24.8 36.3,24.5 23.5,24.5 22.5,23.5 22.5,7.6
VDD18CORE on L03_VCC: 45.5,5.4 46.4,5.4 46.6,5.6 46.6,18.2 46.2,18.6 43.5,18.6 43.3,18.4 43.3,17.7 43.6,17.4 45,17.4 45.3,17.1 45.3,5.6
VDD33A on L03_VCC: 37.6,15.3 37.6,7.6 38.8,6.4 43,6.4 43.3,6.1 43.3,5.1 43,4.8 35.4,4.8 34.6,5.6 34.6,16.6 34.9,16.9 36,16.9
N17470516 on TOP: 24.5,21.8 24.5,25 24.1,25.4 24.1,29.2 26.5,29.2 26.5,24.7 24.9,23.1 24.9,21.8
N17470525 on TOP: 18.3,29.3 21.2,29.3 21.8,28.7 21.8,25.8 23.7,23.9 23.7,21.8 23.4,21.8 23.4,22.8 22.1,24.1 19.6,24.1 18.3,25.4

Small or netless copper shapes (teardrops, artwork), in the pictures only: 210 on TOP, 136 on BOTTOM, 2 on L03_VCC

## Text on the board
Ref Des/Silkscreen Bottom: HY_UART_DBUG_V10B.BRD | 2021_08_17
Ref Des/Silkscreen Top: DC:5-12V | B | GND | A | TX | BUS POWERED | SELFPOWERED | RX | FROM: | DC | USB | 3V3 | FDX | LED | ENHANCED | COM PORT | STANDARD COM PORT | STANDARD
DEVICE_TYPE_BOTTOM: FIGURE | FINISHED_SIZE | 0.254 | 0.3048 | 0.4572 | 0.8 | 0.9 | 1.0 | 1.1 | 1.3 | 1.8 | 2.3 | 3.3 | 3.0x1.0 | DRILL CHART: TOP to BOTTOM | ALL UNITS ARE IN MILLIMETERS | ROTATION | - | 90.000 | 0.000 | PLATED | QTY | 176 | 13 | 3 | 18 | 25 | 4 | 10 | 7 | 2 | 6 | 1 | 269 | TOTAL HOLES:
